# Altium PCB oai_cm_ext.PcbDoc (continued)
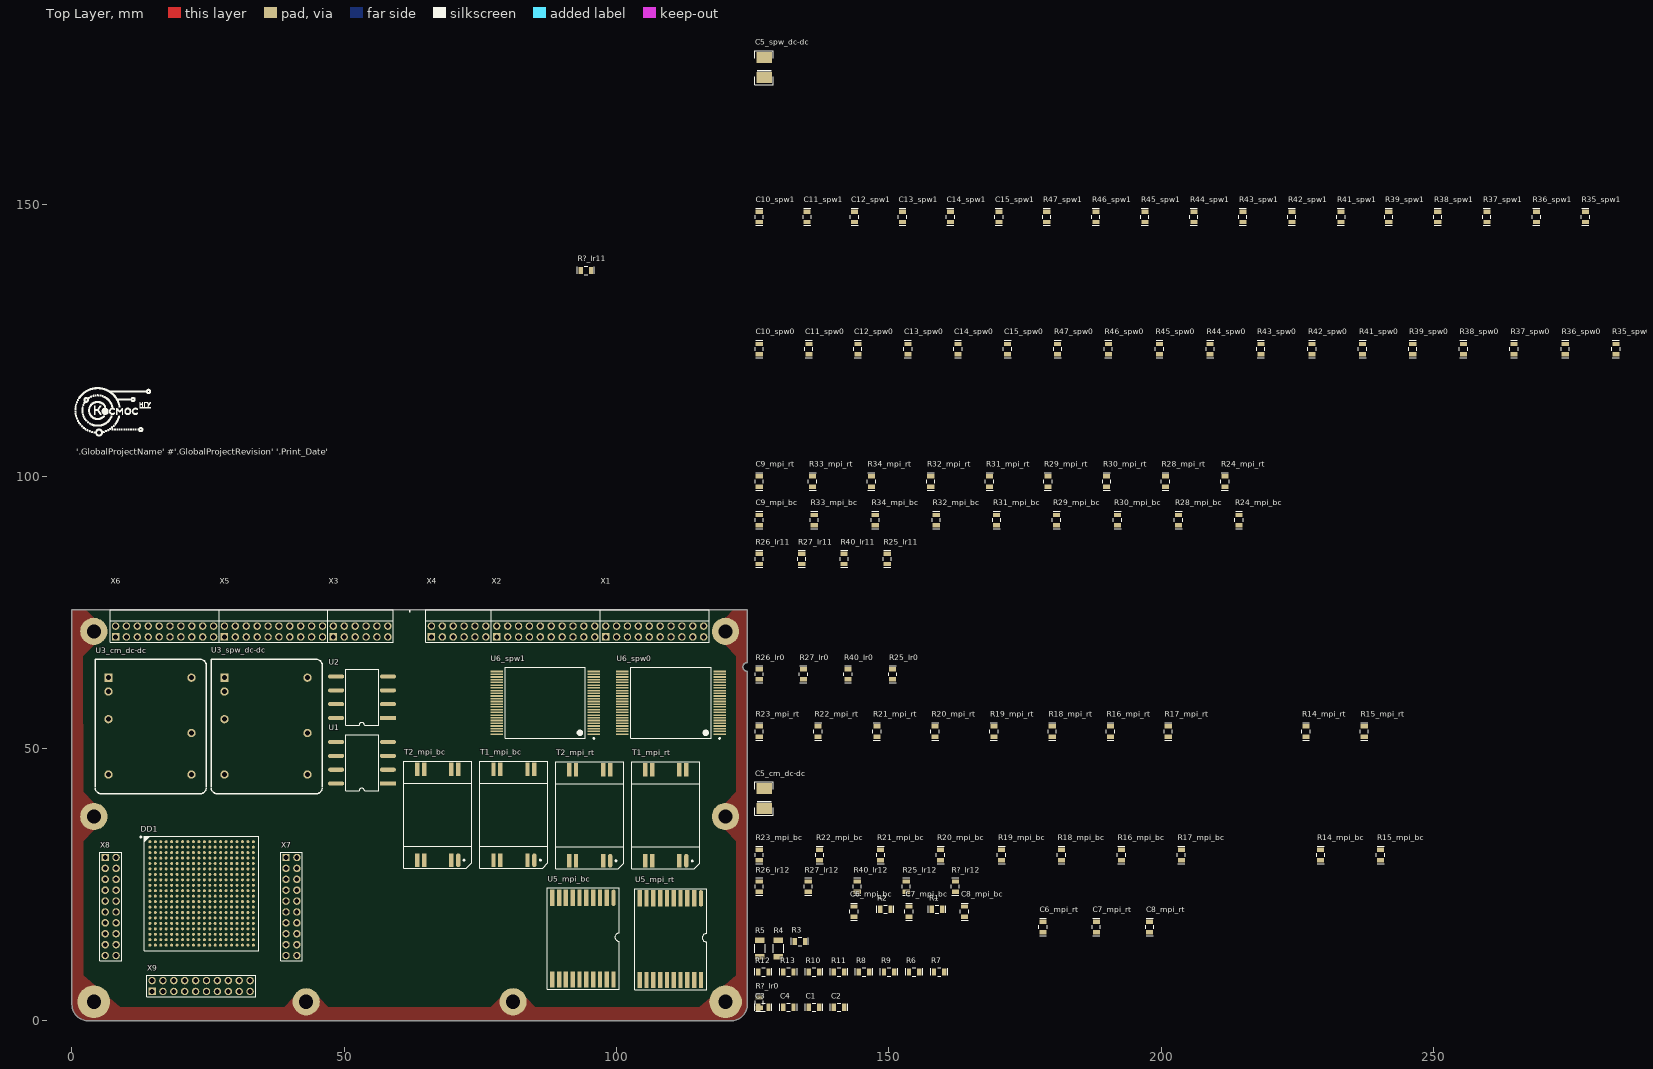
[diagram p0: Top Layer view]
## Footprints (in the part's own frame and the unit in brackets; to place one, negate y for a bottom-side part, rotate by r counter-clockwise, add the part's x,y. Pads: shape width x height; smd on the part's side, far side on the other; paste and mask are expansions set on the pad) (continued)
  silkscreen extent -11.27,-10.5 10.5,10.5, body extent -10.5,-10.5 10.5,10.5, height 3.25
FlatPack-10_MSOP-8 [mm]
  rect 2.54x0.559 smd: 1(0,0)
  rect 1.5x0.38 smd: 1(3.05,-0.95)
  oval 2.54x0.559 smd: 2(0,-1.27) 3(0,-2.54) 4(0,-3.81) 5(0,-5.08) 6(11,-5.08) 7(11,-3.81) 8(11,-2.54) 9(11,-1.27) 10(11,0)
  oval 1.5x0.38 smd: 2(3.05,-1.6) 3(3.05,-2.25) 4(3.05,-2.9) 7(7.95,-2.9) 8(7.95,-2.25) 9(7.95,-1.6) 10(7.95,-0.95)
  silkscreen extent -0.1,-5.73 9.2,0.87, body extent 0.15,-5.8 10.85,0.7, height 2
"MK 4159.48-1" [mm] "CFP, 48-Leads, Body 13,00x14,00mm (max), Pitch 0,50mm, IPC Medium Density"
  oval 2.3x0.3 smd mask+0.102: 1(-8.925,5.75)
  rect 2.3x0.3 smd mask+0.102: 2(-8.925,5.25) 3(-8.925,4.75) 4(-8.925,4.25) 5(-8.925,3.75) 6(-8.925,3.25) 7(-8.925,2.75) 8(-8.925,2.25) 9(-8.925,1.75) 10(-8.925,1.25) 11(-8.925,0.75) 12(-8.925,0.25) 13(-8.925,-0.25) 14(-8.925,-0.75) 15(-8.925,-1.25) 16(-8.925,-1.75) 17(-8.925,-2.25) 18(-8.925,-2.75) 19(-8.925,-3.25) 20(-8.925,-3.75) 21(-8.925,-4.25) 22(-8.925,-4.75) 23(-8.925,-5.25) 24(-8.925,-5.75) 25(8.925,-5.75) 26(8.925,-5.25) 27(8.925,-4.75) 28(8.925,-4.25) 29(8.925,-3.75) 30(8.925,-3.25) 31(8.925,-2.75) 32(8.925,-2.25) 33(8.925,-1.75) 34(8.925,-1.25) 35(8.925,-0.75) 36(8.925,-0.25) 37(8.925,0.25) 38(8.925,0.75) 39(8.925,1.25) 40(8.925,1.75) 41(8.925,2.25) 42(8.925,2.75) 43(8.925,3.25) 44(8.925,3.75) 45(8.925,4.25) 46(8.925,4.75) 47(8.925,5.25) 48(8.925,5.75)
  silkscreen extent -9.05,-6.5 7.37,6.65, body extent -9.68,-6.5 9.68,6.5, height 2.5
PLD2-12R [mil]
  rect 54x54 hole 34: 1(0,0)
  round 54 hole 34: 2(78.74,0) 3(0,-78.74) 4(78.74,-78.74) 5(0,-157.48) 6(78.74,-157.48) 7(0,-236.22) 8(78.74,-236.22) 9(0,-314.96) 10(78.74,-314.96) 11(0,-393.7) 12(78.74,-393.7)
  silkscreen extent -39,-433 197,39, body extent -9,-429 355,35, height 157
PLD2-20 [mil]
  rect 54x54 hole 34: 1(0,0)
  round 54 hole 34: 2(78.74,0) 3(0,-78.74) 4(78.74,-78.74) 5(0,-157.48) 6(78.74,-157.48) 7(0,-236.22) 8(78.74,-236.22) 9(0,-314.96) 10(78.74,-314.96) 11(0,-393.7) 12(78.74,-393.7) 13(0,-472.44) 14(78.74,-472.44) 15(0,-551.18) 16(78.74,-551.18) 17(0,-629.92) 18(78.74,-629.92) 19(0,-708.66) 20(78.74,-708.66)
  silkscreen extent -39,-748 118,39, body extent -39,-744 118,35, height 232
PLD2-20R [mil]
  rect 54x54 hole 34: 1(0,0)
  round 54 hole 34: 2(78.74,0) 3(0,-78.74) 4(78.74,-78.74) 5(0,-157.48) 6(78.74,-157.48) 7(0,-236.22) 8(78.74,-236.22) 9(0,-314.96) 10(78.74,-314.96) 11(0,-393.7) 12(78.74,-393.7) 13(0,-472.44) 14(78.74,-472.44) 15(0,-551.18) 16(78.74,-551.18) 17(0,-629.92) 18(78.74,-629.92) 19(0,-708.66) 20(78.74,-708.66)
  silkscreen extent -39,-748 197,39, body extent -9,-744 355,35, height 157
SLH28xx [mil]
  rect 60x60 hole 35.43: 1(0,0)
  round 60 hole 35.43: 2(0,-100) 3(0,-300) 4(0,-700) 5(600,-700) 6(600,-400) 7(600,0)
  silkscreen extent -97,-840 708,135, body extent -93,-839 707,136, height 275
SMD_0805 [mm]
  rect 0.8x1.3 smd: 1(0,0) 2(1.9,0)
  silkscreen extent -0.64,-0.76 2.54,0.76, body extent -0.05,-0.62 1.95,0.63, height 0.43
SMD_1206 [mm]
  rect 1x1.7 smd: 1(0,0) 2(3,0)
  silkscreen extent 0.7,-0.91 2.3,0.9, body extent -0.09,-0.8 3.11,0.8, height 0.44
SMD_C0805 [mm]
  rect 0.8x1.3 smd: 1(0,0) 2(1.9,0)
  silkscreen extent -0.64,-0.76 2.54,0.76, body extent -0.1,-0.73 2,0.73, height 1.35
SMD_size_B [mm]
  rect 2x2.8 smd: 1(0,0) 2(3.683,0)
  silkscreen extent -1.27,-1.7 4.95,1.7, body extent 0.1,-1.4 3.6,1.4, height 1.9
SOP-8_ISO1050 [mm]
  rect 2.95x0.75 smd: 1(0,0)
  oval 2.95x0.75 smd: 2(0,-2.54) 3(0,-5.08) 4(0,-7.62) 5(9.516,-7.62) 6(9.516,-5.08) 7(9.516,-2.54) 8(9.516,0)
  silkscreen extent 1.67,-8.96 7.75,1.34, body extent 1.35,-8.51 8.15,0.89, height 2.05
SOT-23 [mm]
  rrect50% 0.95x0.9 smd: 1(0,0)
  rect 0.95x0.9 smd: 2(0,-1.9) 3(2.5,-0.95)
  silkscreen extent 0.87,-2.25 2.5,0.35, body extent 0,-2.45 2.5,0.55, height 1.08
TIL-6V [mm]
  oval 2.5x0.813 smd: 1(0,-0.02)
  rect 2.5x0.813 smd: 2(0,1.25) 3(0,6.25) 4(0,7.5) 5(16.7,7.5) 6(16.7,6.25) 7(16.7,1.25) 8(16.7,-0.02)
  silkscreen extent -1.5,-2.5 18.2,10, body extent -1.2,-2.5 17.8,10, height 6.5

## Part data
C1 C2 C3 C4 C6_mpi_bc C6_mpi_rt C7_mpi_bc C7_mpi_rt C8_mpi_bc C8_mpi_rt C9_mpi_bc C9_mpi_rt C10_spw0 C10_spw1 C11_spw0 C11_spw1 C12_spw0 C12_spw1 C13_spw0 C13_spw1 C14_spw0 C14_spw1 C15_spw0 C15_spw1: library part Capacitor, "Capacitor", Назначение=SMD-конденсатор, Потребление, Вт=0
  C1 C2 C3 C4: Наименование=Конденсатор
  C6_mpi_bc C6_mpi_rt C7_mpi_bc C7_mpi_rt C8_mpi_bc C8_mpi_rt C9_mpi_bc C9_mpi_rt C10_spw0 C10_spw1 C11_spw0 C11_spw1 C12_spw0 C12_spw1 C13_spw0 C13_spw1 C14_spw0 C14_spw1 C15_spw0 C15_spw1: Наименование="К10-79 МП0 «ВП»"
C5_cm_dc-dc C5_spw_dc-dc: library part Capacitor_pol, "Polarized capacitor", Назначение="Поляризованный SMD-конденсатор", Наименование="Поляризованный конденсатор", Потребление, Вт=0
D1 D2: library part 249KP1, "Транзисторная оптопара", ComponentLink1Description=DataSheet, ComponentLink1URL=https://eandc.ru/pdf/mikroskhema/249kp1.pdf, Назначение=Оптопара, Наименование="249КП1C \"ОСМ\"", Потребление, Вт=0,005
DD1: "Микроконтроллер", ComponentLink1Description="Руководство пользователя", ComponentLink1URL=https://niiet.ru/wp-content/uploads/2023/02/РП-1921ВК028.pdf, Назначение=Микроконтроллер, Наименование=РП1921ВК028, Потребление, Вт=1.0
R1 R2 R3 R4 R5 R6 R7 R8 R9 R10 R11 R12 R13 R14_mpi_bc R14_mpi_rt R15_mpi_bc R15_mpi_rt R16_mpi_bc R16_mpi_rt R17_mpi_bc R17_mpi_rt R18_mpi_bc R18_mpi_rt R19_mpi_bc R19_mpi_rt R20_mpi_bc R20_mpi_rt R21_mpi_bc R21_mpi_rt R22_mpi_bc R22_mpi_rt R23_mpi_bc R23_mpi_rt R24_mpi_bc R24_mpi_rt R25_lr0 R25_lr11 R25_lr12 R26_lr0 R26_lr11 R26_lr12 R27_lr0 R27_lr11 R27_lr12 R28_mpi_bc R28_mpi_rt R29_mpi_bc R29_mpi_rt R30_mpi_bc R30_mpi_rt R31_mpi_bc R31_mpi_rt R32_mpi_bc R32_mpi_rt R33_mpi_bc R33_mpi_rt R34_mpi_bc R34_mpi_rt R35_spw0 R35_spw1 R36_spw0 R36_spw1 R37_spw0 R37_spw1 R38_spw0 R38_spw1 R39_spw0 R39_spw1 R40_lr0 R40_lr11 R40_lr12 R41_spw0 R41_spw1 R42_spw0 R42_spw1 R43_spw0 R43_spw1 R44_spw0 R44_spw1 R45_spw0 R45_spw1 R46_spw0 R46_spw1 R47_spw0 R47_spw1 R?_lr0 R?_lr11 R?_lr12: library part Resistor, "Resistor", Назначение=SMD-резистор, Потребление, Вт=0,001
  R1 R2 R3 R4 R5 R35_spw0 R35_spw1 R36_spw0 R36_spw1 R37_spw0 R37_spw1 R38_spw0 R38_spw1 R39_spw0 R39_spw1 R41_spw0 R41_spw1 R42_spw0 R42_spw1 R43_spw0 R43_spw1 R44_spw0 R44_spw1 R45_spw0 R45_spw1 R46_spw0 R46_spw1 R47_spw0 R47_spw1: Наименование=Резистор
  R6 R7 R8 R9 R10 R11 R12 R13 R14_mpi_bc R14_mpi_rt R15_mpi_bc R15_mpi_rt R16_mpi_bc R16_mpi_rt R17_mpi_bc R17_mpi_rt R18_mpi_bc R18_mpi_rt R19_mpi_bc R19_mpi_rt R20_mpi_bc R20_mpi_rt R21_mpi_bc R21_mpi_rt R22_mpi_bc R22_mpi_rt R23_mpi_bc R23_mpi_rt R24_mpi_bc R24_mpi_rt R25_lr0 R25_lr11 R25_lr12 R26_lr0 R26_lr11 R26_lr12 R27_lr0 R27_lr11 R27_lr12 R28_mpi_bc R28_mpi_rt R29_mpi_bc R29_mpi_rt R30_mpi_bc R30_mpi_rt R31_mpi_bc R31_mpi_rt R32_mpi_bc R32_mpi_rt R33_mpi_bc R33_mpi_rt R34_mpi_bc R34_mpi_rt R40_lr0 R40_lr11 R40_lr12 R?_lr0 R?_lr11 R?_lr12: Наименование="Р1-12-0.125 ОСМ"
T1_mpi_bc T1_mpi_rt T2_mpi_bc T2_mpi_rt: "Импульсный трансформатор", Назначение="Импульсный трансформатор МПИ", Наименование="ТИЛ-6В \"ОС\"", Потребление, Вт=0.0
U1 U2: "Isolated CAN Transceiver", ComponentLink1Description=Datasheet, ComponentLink1URL=http://www.ti.com/lit/ds/symlink/iso1050.pdf, Назначение="Изолированный CAN приемник", Наименование=ISO1050, Потребление, Вт=0,001
U3_cm_dc-dc U3_spw_dc-dc: "DC-DC", ComponentLink1Description=DataSheet, ComponentLink1URL=https://www.interpoint.com/product_documents/SLH_Space_DC_DC_Converters.pdf, Назначение="DC-DC преобразователь", Наименование=SLH2805D/KR, Потребление, Вт=0.1
U5_mpi_bc U5_mpi_rt: library part 5559IN67T, "Приемопередатчики манчестерского кода", ComponentLink1Description=DataSheet, ComponentLink1URL=https://www.integral.by/sites/default/files/5559_IN67_68T.pdf, Назначение="Приемопередатчик манчестерского кода", Наименование="5559ИН67Т \"ОСМ\"", Потребление, Вт=0.1
U6_spw0 U6_spw1: library part 5575BB044, "Микросхема гальванической развязки цифровых сигналов", ComponentLink1Description=DataSheet, ComponentLink1URL=http://www.asic.ru/images/stories/bmk/5575/5575BB_Opisanie.pdf, Назначение="Микросхема гальванической развязки цифровых сигналов", Наименование=5575BB044, Потребление, Вт=0.165
U9_lr0 U9_lr11 U9_lr12: library part 1278ER1T, "Low-drop linear regulator", ComponentLink1Description=DataSheet, ComponentLink1URL=https://www.radiant.su/files/images/Kremhij-marketing/1278EP1T.pdf, Назначение="Линейный регулятор", Наименование="1278ЕР1Т \"ВП\"", Потребление, Вт=0,100
VD1 VD2: "CAN bus ESD protection diode", ComponentLink1Description=DataSheet, ComponentLink1URL=https://docviewer.yandex.ru/view/20572601/?*=RQqn8Wj9g8uNyA%2Fh5vLXNATrwhl7InVybCI6Imh0dHBzOi8vYXNzZXRzLm5leHBlcmlhLmNvbS9kb2N1bWVudHMvZGF0YS1zaGVldC9QRVNEMkNBTi5wZGYiLCJ0aXRsZSI6IlBFU0QyQ0FOLnBkZiIsIm5vaWZyYW1lIjp0cnVlLCJ1aWQiOiIyMDU3MjYwMSIsInRzIjoxNTk2Nzk0OTE4Njc4LCJ5dSI6Ijg4OTA2MTMzMTU0MzM4NzEyMSIsInNlcnBQYXJhbXMiOiJsYW5nPWVuJnRtPTE1OTY3OTQ4OTAmdGxkPXJ1Jm5hbWU9UEVTRDJDQU4ucGRmJnRleHQ9cGVzZDJjYW4mdXJsPWh0dHBzJTNBLy9hc3NldHMubmV4cGVyaWEuY29tL2RvY3VtZW50cy9kYXRhLXNoZWV0L1BFU0QyQ0FOLnBkZiZscj02NSZtaW1lPXBkZiZsMTBuPXJ1JnNpZ249MzE3ZjE4NzU1MTcwMWNmYmI4ZDQxYzc2OTNlYTFkYzIma2V5bm89MCJ9&lang=en, Назначение="Защитная диодная сборка CAN-шины от ЭСР", Наименование=PESD2CAN, Потребление, Вт=0,001
X1 X2 X5 X6 X7 X8 X9: "Header, 20-Pin, Dual row", Назначение="Header, 20-Pin, Dual row", Потребление, Вт=0,0
  X1 X2 X5 X6: Наименование=PLD2-20R
  X7 X8 X9: Наименование=PLD2-20
X3 X4: "Header, 12-Pin, Dual row", Назначение="Header, 12-Pin, Dual row", Наименование=PLD2-12R, Потребление, Вт=0,0
U4: Назначение="Токовый датчик", Наименование=AD8212S

## Free pads (board coordinates)
  round 6 hole 2.6 mask+0.102: 0(4.013,3.505) 0(120.015,3.505)
  round 5 hole 2.6 mask+0.102: 0(4.013,37.516) 0(4.013,71.526) 0(43.002,3.505) 0(81.001,3.505) 0(120.015,37.516) 0(120.015,71.526)

## Nets (pads, with @x,y where several pads share a name; then routed paths per layer and width w, separated by ;. In a path a pad name is that pad's centre, name@x,y a point inside that pad or via, vN(x,y) a via of type N, cw(c..) or ccw(c..) an arc to the next point about the centre after c; other vN are vias at no path point)
3V3: C10_spw0.2 C10_spw1.2 C11_spw0.2 C11_spw1.2 C12_spw0.2 C12_spw1.2 C13_spw0.2 C13_spw1.2 C14_spw0.2 C14_spw1.2 C15_spw0.2 C15_spw1.2 R?_lr0.1 R?_lr11.1 U6_spw0.1 U6_spw0.6 U6_spw0.11 U6_spw0.13 U6_spw0.17 U6_spw0.22 U6_spw0.26 U6_spw0.27 U6_spw0.31 U6_spw0.32 U6_spw0.36 U6_spw0.39 U6_spw0.44 U6_spw0.48 U6_spw1.1 U6_spw1.6 U6_spw1.11 U6_spw1.13 U6_spw1.17 U6_spw1.22 U6_spw1.26 U6_spw1.27 U6_spw1.31 U6_spw1.32 U6_spw1.36 U6_spw1.39 U6_spw1.44 U6_spw1.48 X7.19 X7.20 X9.19 X9.20
5V: C5_cm_dc-dc.1 C6_mpi_bc.2 C6_mpi_rt.2 C7_mpi_bc.2 C7_mpi_rt.2 C8_mpi_bc.2 C8_mpi_rt.2 C9_mpi_bc.2 C9_mpi_rt.2 U3_cm_dc-dc.3 U5_mpi_bc.1 U5_mpi_bc.4 U5_mpi_bc.6 U5_mpi_bc.9 U5_mpi_rt.1 U5_mpi_rt.4 U5_mpi_rt.6 U5_mpi_rt.9 U9_lr0.2 U9_lr12.2 X5.1 X5.2
5V_SPW: C5_spw_dc-dc.1 U3_spw_dc-dc.3 U9_lr11.2
+27V: R4.1 R5.1 U4.1 X1.3 X1.4
+V_IN_cm_dc-dc: R4.2 R5.2 U3_cm_dc-dc.1 U3_spw_dc-dc.1 U4.10
-V_IN_cm_dc-dc: C5_cm_dc-dc.2 C6_mpi_bc.1 C6_mpi_rt.1 C7_mpi_bc.1 C7_mpi_rt.1 C8_mpi_bc.1 C8_mpi_rt.1 C9_mpi_bc.1 C9_mpi_rt.1 C10_spw0.1 C10_spw1.1 C11_spw0.1 C11_spw1.1 C12_spw0.1 C12_spw1.1 R3.1 R14_mpi_bc.1 R14_mpi_rt.1 R15_mpi_bc.1 R15_mpi_rt.1 R16_mpi_bc.1 R16_mpi_rt.1 R17_mpi_bc.1 R17_mpi_rt.1 R26_lr0.1 R26_lr11.1 R26_lr12.1 R27_lr0.1 R27_lr11.1 R27_lr12.1 R29_mpi_bc.1 R29_mpi_rt.1 R30_mpi_bc.1 R30_mpi_rt.1 R33_mpi_bc.1 R33_mpi_rt.1 R34_mpi_bc.1 R34_mpi_rt.1 R40_lr0.1 R40_lr11.1 R40_lr12.1 R44_spw0.2 R44_spw1.2 T1_mpi_bc.2 T1_mpi_rt.2 T2_mpi_bc.2 T2_mpi_rt.2 U3_cm_dc-dc.2 U3_cm_dc-dc.4 U3_cm_dc-dc.5 U3_cm_dc-dc.7 U3_spw_dc-dc.2 U4.3 U5_mpi_bc.5 U5_mpi_bc.10 U5_mpi_bc.13 U5_mpi_bc.18 U5_mpi_rt.5 U5_mpi_rt.10 U5_mpi_rt.13 U5_mpi_rt.18 U6_spw0.5 U6_spw0.10 U6_spw0.12 U6_spw0.23 U6_spw0.24 U6_spw1.5 U6_spw1.10 U6_spw1.12 U6_spw1.23 U6_spw1.24 X1.1 X1.2 X1.19 X1.20 X3.1 X3.2 X4.1 X4.2 X5.11 X5.12 X7.1 X7.2 X7.17 X8.1 X8.2 X9.1 X9.2
A_mpi_bc_N: T1_mpi_bc.1 U5_mpi_bc.3
A_mpi_bc_P: T1_mpi_bc.4 U5_mpi_bc.2
A_mpi_rt_N: T1_mpi_rt.1 U5_mpi_rt.3
A_mpi_rt_P: T1_mpi_rt.4 U5_mpi_rt.2
B_mpi_bc_N: T2_mpi_bc.1 U5_mpi_bc.8
B_mpi_bc_P: T2_mpi_bc.4 U5_mpi_bc.7
B_mpi_rt_N: T2_mpi_rt.1 U5_mpi_rt.8
B_mpi_rt_P: T2_mpi_rt.4 U5_mpi_rt.7
CAN1_H: X5.3 X5.4
CAN1_L: X5.5 X5.6
CAN2_H: X5.7 X5.8
CAN2_L: X5.9 X5.10
DIn_spw0: U6_spw0.14
DIn_spw1: U6_spw1.14
DInN_spw0: R41_spw0.1 U6_spw0.33
DInN_spw1: R41_spw1.1 U6_spw1.33
DInP_spw0: R41_spw0.2 U6_spw0.34
DInP_spw1: R41_spw1.2 U6_spw1.34
DOut_spw0: U6_spw0.2
DOut_spw1: U6_spw1.2
DOutN_spw0: U6_spw0.45
DOutN_spw1: U6_spw1.45
DOutP_spw0: U6_spw0.46
DOutP_spw1: U6_spw1.46
GND: D1.3 D1.10 D2.3 D2.10
GND_SPW_spw0: C5_spw_dc-dc.2 C13_spw0.1 C13_spw1.1 C14_spw0.1 C14_spw1.1 C15_spw0.1 C15_spw1.1 R35_spw0.2 R35_spw1.2 R37_spw0.2 R37_spw1.2 R38_spw0.2 R38_spw1.2 R43_spw0.2 R43_spw1.2 R45_spw0.2 R45_spw1.2 U3_spw_dc-dc.4 U3_spw_dc-dc.5 U3_spw_dc-dc.7 U6_spw0.25 U6_spw0.37 U6_spw0.38 U6_spw1.25 U6_spw1.37 U6_spw1.38
IN_1: R7.2
IN_2: R9.2
IN_3: R11.2
IN_4: R13.2
mem_a0: X8.3
mem_a1: X8.4
mem_a2: X8.5
mem_a3: X8.6
mem_a4: X8.7
mem_a5: X8.8
mem_a6: X8.9
mem_a7: X8.10
mem_a8: X8.11
mem_a9: X8.12
mem_a10: X8.13
mem_a11: X8.14
mem_a12: X8.15
mem_a13: X8.16
mem_a14: X8.17
mem_a15: X8.18
mem_a16: X8.19
mem_a17: X8.20
mem_ce0: X7.4
mem_ce1: X7.6
mem_cs0: X7.3
mem_cs1: X7.5
mem_cs2: X7.7
mem_cs3: X7.9
mem_cs4: X7.11
mem_cs5: X7.13
mem_d0: X9.3
mem_d1: X9.4
mem_d2: X9.5
mem_d3: X9.6
mem_d4: X9.7
mem_d5: X9.8
mem_d6: X9.9
mem_d7: X9.10
mem_d8: X9.11
mem_d9: X9.12
mem_d10: X9.13
mem_d11: X9.14
mem_d12: X9.15
mem_d13: X9.16
mem_d14: X9.17
mem_d15: X9.18
mem_lb: X7.12
mem_miso: X7.18
mem_mosi: X7.16
mem_oe: X7.10
mem_sclk: X7.15
mem_ub: X7.14
mem_we: X7.8
MILA_RX_mpi_bc_N: R28_mpi_bc.1 R30_mpi_bc.2
MILA_RX_mpi_bc_P: R24_mpi_bc.1 R29_mpi_bc.2
MILA_RX_mpi_rt_N: R28_mpi_rt.1 R30_mpi_rt.2
MILA_RX_mpi_rt_P: R24_mpi_rt.1 R29_mpi_rt.2
MILA_TX_mpi_bc_N: R14_mpi_bc.2 U5_mpi_bc.20
MILA_TX_mpi_bc_P: R15_mpi_bc.2 U5_mpi_bc.19
MILA_TX_mpi_rt_N: R14_mpi_rt.2 U5_mpi_rt.20
MILA_TX_mpi_rt_P: R15_mpi_rt.2 U5_mpi_rt.19
MILB_RX_mpi_bc_N: R32_mpi_bc.1 R34_mpi_bc.2
MILB_RX_mpi_bc_P: R31_mpi_bc.1 R33_mpi_bc.2
MILB_RX_mpi_rt_N: R32_mpi_rt.1 R34_mpi_rt.2
MILB_RX_mpi_rt_P: R31_mpi_rt.1 R33_mpi_rt.2
MILB_TX_mpi_bc_N: R16_mpi_bc.2 U5_mpi_bc.15
MILB_TX_mpi_bc_P: R17_mpi_bc.2 U5_mpi_bc.14
MILB_TX_mpi_rt_N: R16_mpi_rt.2 U5_mpi_rt.15
MILB_TX_mpi_rt_P: R17_mpi_rt.2 U5_mpi_rt.14
MKOА_КШ_1: X5.13 X5.14
MKOА_КШ_2: X5.15 X5.16
MKOА_ОУ_1: X1.11 X1.12
MKOА_ОУ_2: X1.13 X1.14
MKOБ_КШ_1: X5.17 X5.18
MKOБ_КШ_2: X5.19 X5.20
MKOБ_ОУ_1: X1.15 X1.16
MKOБ_ОУ_2: X1.17 X1.18
MPI_1_A_mpi_bc: R18_mpi_bc.1 R19_mpi_bc.1
MPI_1_A_mpi_rt: R18_mpi_rt.1 R19_mpi_rt.1
MPI_1_B_mpi_bc: R21_mpi_bc.1 R22_mpi_bc.1
MPI_1_B_mpi_rt: R21_mpi_rt.1 R22_mpi_rt.1
MPI_2_A_mpi_bc: R19_mpi_bc.2 R20_mpi_bc.1
MPI_2_A_mpi_rt: R19_mpi_rt.2 R20_mpi_rt.1
MPI_2_B_mpi_bc: R22_mpi_bc.2 R23_mpi_bc.1
MPI_2_B_mpi_rt: R22_mpi_rt.2 R23_mpi_rt.1
NetC1_1: C1.1 C3.1 U1.5 U2.5 VD1.3 VD2.3
NetC1_2: C1.2 C3.2 U1.8 U2.8
NetC2_1: C2.1 C4.1 U1.4 U2.4
NetC2_2: C2.2 C4.2 U1.1 U2.1
NetC36_lr0_2: R25_lr0.2 R40_lr0.2 R?_lr0.2 U9_lr0.8 U9_lr0.11
NetC36_lr11_2: R25_lr11.2 R40_lr11.2 R?_lr11.2 U9_lr11.8 U9_lr11.11
NetC36_lr12_2: R25_lr12.2 R40_lr12.2 R?_lr12.2 U9_lr12.8 U9_lr12.11
NetD1_2: D1.2 R7.1
NetD1_4: D1.4 R8.2
NetD1_9: D1.9 R9.1
NetD1_11: D1.11 R6.2
NetD2_2: D2.2 R11.1
NetD2_4: D2.4 R12.2
NetD2_9: D2.9 R13.1
NetD2_11: D2.11 R10.2
NetR1_1: R1.1 U1.6 VD1.2
NetR1_2: R1.2 U1.7 VD1.1
NetR2_1: R2.1 U2.6 VD2.2
NetR2_2: R2.2 U2.7 VD2.1
NetR18_mpi_bc_2: R18_mpi_bc.2 T1_mpi_bc.5
NetR18_mpi_rt_2: R18_mpi_rt.2 T1_mpi_rt.5
NetR20_mpi_bc_2: R20_mpi_bc.2 T1_mpi_bc.8
NetR20_mpi_rt_2: R20_mpi_rt.2 T1_mpi_rt.8
NetR21_mpi_bc_2: R21_mpi_bc.2 T2_mpi_bc.5
NetR21_mpi_rt_2: R21_mpi_rt.2 T2_mpi_rt.5
NetR23_mpi_bc_2: R23_mpi_bc.2 T2_mpi_bc.8
NetR23_mpi_rt_2: R23_mpi_rt.2 T2_mpi_rt.8
NetR24_mpi_bc_2: R24_mpi_bc.2 U5_mpi_bc.17
NetR24_mpi_rt_2: R24_mpi_rt.2 U5_mpi_rt.17
NetR25_lr0_1: R25_lr0.1 R26_lr0.2 R27_lr0.2 U9_lr0.17
NetR25_lr11_1: R25_lr11.1 R26_lr11.2 R27_lr11.2 U9_lr11.17
NetR25_lr12_1: R25_lr12.1 R26_lr12.2 R27_lr12.2 U9_lr12.17
NetR28_mpi_bc_2: R28_mpi_bc.2 U5_mpi_bc.16
NetR28_mpi_rt_2: R28_mpi_rt.2 U5_mpi_rt.16
NetR31_mpi_bc_2: R31_mpi_bc.2 U5_mpi_bc.12
NetR31_mpi_rt_2: R31_mpi_rt.2 U5_mpi_rt.12
NetR32_mpi_bc_2: R32_mpi_bc.2 U5_mpi_bc.11
NetR32_mpi_rt_2: R32_mpi_rt.2 U5_mpi_rt.11
NetR35_spw0_1: R35_spw0.1 U6_spw0.47
NetR35_spw1_1: R35_spw1.1 U6_spw1.47
NetR36_spw0_1: R36_spw0.1 U6_spw0.4
NetR36_spw0_2: R36_spw0.2 U6_spw0.3
NetR36_spw1_1: R36_spw1.1 U6_spw1.4
NetR36_spw1_2: R36_spw1.2 U6_spw1.3
NetR37_spw0_1: R37_spw0.1 U6_spw0.43
NetR37_spw1_1: R37_spw1.1 U6_spw1.43
NetR38_spw0_1: R38_spw0.1 U6_spw0.42
NetR38_spw1_1: R38_spw1.1 U6_spw1.42
NetR39_spw0_1: R39_spw0.1 U6_spw0.9
NetR39_spw0_2: R39_spw0.2 U6_spw0.8
NetR39_spw1_1: R39_spw1.1 U6_spw1.9
NetR39_spw1_2: R39_spw1.2 U6_spw1.8
NetR42_spw0_1: R42_spw0.1 U6_spw0.16
NetR42_spw0_2: R42_spw0.2 U6_spw0.15
NetR42_spw1_1: R42_spw1.1 U6_spw1.16
NetR42_spw1_2: R42_spw1.2 U6_spw1.15
NetR43_spw0_1: R43_spw0.1 U6_spw0.35
NetR43_spw1_1: R43_spw1.1 U6_spw1.35
NetR44_spw0_1: R44_spw0.1 U6_spw0.18
NetR44_spw1_1: R44_spw1.1 U6_spw1.18
NetR45_spw0_1: R45_spw0.1 U6_spw0.30
NetR45_spw1_1: R45_spw1.1 U6_spw1.30
NetR46_spw0_1: R46_spw0.1 U6_spw0.21
NetR46_spw0_2: R46_spw0.2 U6_spw0.20
NetR46_spw1_1: R46_spw1.1 U6_spw1.21
NetR46_spw1_2: R46_spw1.2 U6_spw1.20
NetR?_lr12_1: R?_lr12.1
NetU1_2: U1.2
NetU1_3: U1.3
NetU2_2: U2.2
NetU2_3: U2.3
NetU4_2: U4.2 U4.8
Out0: X6.11
Out1: X6.12
Out2: X6.13
Out3: X6.14
Out4: X6.15
Out5: X6.16
Out6: X6.17
Out7: X6.18
Out8: X6.19
Out9: X6.20
Out10: X3.3
Out11: X3.4
Out12: X3.5
Out13: X3.6
Out14: X3.7
Out15: X3.8
Out16: X3.9
Out17: X3.10
Out18: X3.11
Out19: X3.12
Sin_spw0: U6_spw0.19
Sin_spw1: U6_spw1.19
SInN_spw0: R47_spw0.1 U6_spw0.28
SInN_spw1: R47_spw1.1 U6_spw1.28
SInP_spw0: R47_spw0.2 U6_spw0.29
SInP_spw1: R47_spw1.2 U6_spw1.29
SOut_spw0: U6_spw0.7
SOut_spw1: U6_spw1.7
SOutN_spw0: U6_spw0.40
SOutN_spw1: U6_spw1.40
SOutP_spw0: U6_spw0.41
SOutP_spw1: U6_spw1.41
SPW0_Din+: X2.7 X2.17
SPW0_Din-: X2.8 X2.18
SPW0_Dout+: X2.3 X2.13
SPW0_Dout-: X2.4 X2.14
SPW0_Sin+: X2.6 X2.16
SPW0_Sint-: X2.5 X2.15
SPW0_Sout+: X2.2 X2.12
SPW0_Sout-: X2.1 X2.11
SPW0_Корпус: X2.9 X2.10
SPW1_Корпус: X2.19 X2.20
АЦП0: X6.1
АЦП1: X6.2
АЦП2: X6.3
АЦП3: X6.4
АЦП4: X6.5
АЦП5: X6.6
АЦП6: X6.7
АЦП7: X6.8
АЦП8: X6.9
АЦП9: X6.10
АЦП10: X4.3
АЦП11: X4.4
АЦП12: X4.5
АЦП13: X4.6
АЦП14: X4.7
АЦП15: X4.8
АЦП16: X4.9
АЦП17: X4.10
АЦП18: X4.11
АЦП19: X4.12
СТМ_0: X1.5
СТМ_1: X1.6
СТМ_2: X1.7
СТМ_3: X1.8
СТМ_4: R12.1
СТМ_Общ: X1.9 X1.10
СТМ_ОБЩ: D1.6 D1.13 D2.6 D2.13
ЦМ_Iout: R3.2 U4.7
pads on no net: D1.1 D1.5 D1.7 D1.8 D1.12 D1.14 D2.1 D2.5 D2.7 D2.8 D2.12 D2.14 DD1.A1 DD1.A2 DD1.A3 DD1.A4 DD1.A5 DD1.A6 DD1.A7 DD1.A8 DD1.A9 DD1.A10 DD1.A11 DD1.A12 DD1.A13 DD1.A14 DD1.A15 DD1.A16 DD1.A17 DD1.A18 DD1.A19 DD1.A20 DD1.B1 DD1.B2 DD1.B3 DD1.B4 DD1.B5 DD1.B6 DD1.B7 DD1.B8 DD1.B9 DD1.B10 DD1.B11 DD1.B12 DD1.B13 DD1.B14 DD1.B15 DD1.B16 DD1.B17 DD1.B18 DD1.B19 DD1.B20 DD1.C1 DD1.C2 DD1.C3 DD1.C4 DD1.C5 DD1.C6 DD1.C7 DD1.C8 DD1.C9 DD1.C10 DD1.C11 DD1.C12 DD1.C13 DD1.C14 DD1.C15 DD1.C16 DD1.C17 DD1.C18 DD1.C19 DD1.C20 DD1.D1 DD1.D2 DD1.D3 DD1.D4 DD1.D5 DD1.D6 DD1.D7 DD1.D8 DD1.D9 DD1.D10 DD1.D11 DD1.D12 DD1.D13 DD1.D14 DD1.D15 DD1.D16 DD1.D17 DD1.D18 DD1.D19 DD1.D20 DD1.E1 DD1.E2 DD1.E3 DD1.E4 DD1.E5 DD1.E6 DD1.E7 DD1.E8 DD1.E9 DD1.E10 DD1.E11 DD1.E12 DD1.E13 DD1.E14 DD1.E15 DD1.E16 DD1.E17 DD1.E18 DD1.E19 DD1.E20 DD1.F1 DD1.F2 DD1.F3 DD1.F4 DD1.F5 DD1.F6 DD1.F7 DD1.F8 DD1.F9 DD1.F10 DD1.F11 DD1.F12 DD1.F13 DD1.F14 DD1.F15 DD1.F16 DD1.F17 DD1.F18 DD1.F19 DD1.F20 DD1.G1 DD1.G2 DD1.G3 DD1.G4 DD1.G5 DD1.G6 DD1.G7 DD1.G8 DD1.G9 DD1.G10 DD1.G11 DD1.G12 DD1.G13 DD1.G14 DD1.G15 DD1.G16 DD1.G17 DD1.G18 DD1.G19 DD1.G20 DD1.H1 DD1.H2 DD1.H3 DD1.H4 DD1.H5 DD1.H6 DD1.H7 DD1.H8 DD1.H9 DD1.H10 DD1.H11 DD1.H12 DD1.H13 DD1.H14 DD1.H15 DD1.H16 DD1.H17 DD1.H18 DD1.H19 DD1.H20 DD1.J1 DD1.J2 DD1.J3 DD1.J4 DD1.J5 DD1.J6 DD1.J7 DD1.J8 DD1.J9 DD1.J10 DD1.J11 DD1.J12 DD1.J13 DD1.J14 DD1.J15 DD1.J16 DD1.J17 DD1.J18 DD1.J19 DD1.J20 DD1.K1 DD1.K2 DD1.K3 DD1.K4 DD1.K5 DD1.K6 DD1.K7 DD1.K8 DD1.K9 DD1.K10 DD1.K11 DD1.K12 DD1.K13 DD1.K14 DD1.K15 DD1.K16 DD1.K17 DD1.K18 DD1.K19 DD1.K20 DD1.L1 DD1.L2 DD1.L3 DD1.L4 DD1.L5 DD1.L6 DD1.L7 DD1.L8 DD1.L9 DD1.L10 DD1.L11 DD1.L12 DD1.L13 DD1.L14 DD1.L15 DD1.L16 DD1.L17 DD1.L18 DD1.L19 DD1.L20 DD1.M1 DD1.M2 DD1.M3 DD1.M4 DD1.M5 DD1.M6 DD1.M7 DD1.M8 DD1.M9 DD1.M10 DD1.M11 DD1.M12 DD1.M13 DD1.M14 DD1.M15 DD1.M16 DD1.M17 DD1.M18 DD1.M19 DD1.M20 DD1.N1 DD1.N2 DD1.N3 DD1.N4 DD1.N5 DD1.N6 DD1.N7 DD1.N8 DD1.N9 DD1.N10 DD1.N11 DD1.N12 DD1.N13 DD1.N14 DD1.N15 DD1.N16 DD1.N17 DD1.N18 DD1.N19 DD1.N20 DD1.P1 DD1.P2 DD1.P3 DD1.P4 DD1.P5 DD1.P6 DD1.P7 DD1.P8 DD1.P9 DD1.P10 DD1.P11 DD1.P12 DD1.P13 DD1.P14 DD1.P15 DD1.P16 DD1.P17 DD1.P18 DD1.P19 DD1.P20 DD1.Q1 DD1.Q2 DD1.Q3 DD1.Q4 DD1.Q5 DD1.Q6 DD1.Q7 DD1.Q8 DD1.Q9 DD1.Q10 DD1.Q11 DD1.Q12 DD1.Q13 DD1.Q14 DD1.Q15 DD1.Q16 DD1.Q17 DD1.Q18 DD1.Q19 DD1.Q20 DD1.R1 DD1.R2 DD1.R3 DD1.R4 DD1.R5 DD1.R6 DD1.R7 DD1.R8 DD1.R9 DD1.R10 DD1.R11 DD1.R12 DD1.R13 DD1.R14 DD1.R15 DD1.R16 DD1.R17 DD1.R18 DD1.R19 DD1.R20 DD1.S1 DD1.S2 DD1.S3 DD1.S4 DD1.S5 DD1.S6 DD1.S7 DD1.S8 DD1.S9 DD1.S10 DD1.S11 DD1.S12 DD1.S13 DD1.S14 DD1.S15 DD1.S16 DD1.S17 DD1.S18 DD1.S19 DD1.S20 DD1.T1 DD1.T2 DD1.T3 DD1.T4 DD1.T5 DD1.T6 DD1.T7 DD1.T8 DD1.T9 DD1.T10 DD1.T11 DD1.T12 DD1.T13 DD1.T14 DD1.T15 DD1.T16 DD1.T17 DD1.T18 DD1.T19 DD1.T20 DD1.U1 DD1.U2 DD1.U3 DD1.U4 DD1.U5 DD1.U6 DD1.U7 DD1.U8 DD1.U9 DD1.U10 DD1.U11 DD1.U12 DD1.U13 DD1.U14 DD1.U15 DD1.U16 DD1.U17 DD1.U18 DD1.U19 DD1.U20 DD1.V1 DD1.V2 DD1.V3 DD1.V4 DD1.V5 DD1.V6 DD1.V7 DD1.V8 DD1.V9 DD1.V10 DD1.V11 DD1.V12 DD1.V13 DD1.V14 DD1.V15 DD1.V16 DD1.V17 DD1.V18 DD1.V19 DD1.V20 R6.1 R8.1 R10.1 T1_mpi_bc.3 T1_mpi_bc.6 T1_mpi_bc.7 T1_mpi_rt.3 T1_mpi_rt.6 T1_mpi_rt.7 T2_mpi_bc.3 T2_mpi_bc.6 T2_mpi_bc.7 T2_mpi_rt.3 T2_mpi_rt.6 T2_mpi_rt.7 U3_cm_dc-dc.6 U3_spw_dc-dc.6 U4.4 U4.5 U4.6 U4.9

## Polygon pours and split planes (outlines as drawn)
no net on Top Layer "Top Layer-CASE" (solid, pour order 26): 121.015,0.025 ccw(c121.015,3.012) 124.003,3.012 124.003,75.514 121.463,75.514 120.014,74.065 120.014,68.988 122.022,66.98 122.022,42.062 120.014,40.054 120.014,34.977 121.996,32.995 121.971,32.969 121.971,8.382 115.138,2.515 85.09,2.515 83.464,4.14 78.562,4.14 76.937,2.515 47.092,2.515 45.466,4.14 40.564,4.14 38.938,2.515 8.865,2.515 2.032,8.382 2.032,32.995 4.015,34.977 4.012,40.057 2.032,42.037 2.007,66.929 4.015,68.937 4.012,74.068 2.565,75.514 0,75.514 0,3.024 ccw(c2.999,3.024) 2.999,0.025
no net on Top Solder "Top Layer-CASE" (solid): 121.015,0.025 ccw(c121.015,3.012) 124.003,3.012 124.003,75.514 121.463,75.514 120.014,74.065 120.014,68.988 122.022,66.98 122.022,42.062 120.014,40.054 120.014,34.977 121.996,32.995 121.971,32.969 121.971,8.382 115.138,2.515 85.09,2.515 83.464,4.14 78.562,4.14 76.937,2.515 47.092,2.515 45.466,4.14 40.564,4.14 38.938,2.515 8.865,2.515 2.032,8.382 2.032,32.995 4.015,34.977 4.012,40.057 2.032,42.037 2.007,66.929 4.015,68.937 4.012,74.068 2.565,75.514 0,75.514 0,3.024 ccw(c2.999,3.024) 2.999,0.025
no net on Top Solder "Top Layer-CASE" (solid): 121.015,0.025 ccw(c121.015,3.012) 124.003,3.012 124.003,75.514 121.463,75.514 120.014,74.065 120.014,68.988 122.022,66.98 122.022,42.062 120.014,40.054 120.014,34.977 121.996,32.995 121.971,32.969 121.971,8.382 115.138,2.515 85.09,2.515 83.464,4.14 78.562,4.14 76.937,2.515 47.092,2.515 45.466,4.14 40.564,4.14 38.938,2.515 8.865,2.515 2.032,8.382 2.032,32.995 4.015,34.977 4.012,40.057 2.032,42.037 2.007,66.929 4.015,68.937 4.012,74.068 2.565,75.514 0,75.514 0,3.024 ccw(c2.999,3.024) 2.999,0.025
no net on Bottom Layer "Bottom Layer-No Net" (solid, pour order 22): 121.015,0.025 ccw(c121.015,3.012) 124.003,3.012 124.003,75.514 121.463,75.514 120.014,74.065 120.014,68.988 122.022,66.98 122.022,42.062 120.014,40.054 120.014,34.977 121.996,32.995 121.971,32.969 121.971,8.382 115.138,2.515 85.09,2.515 83.464,4.14 78.562,4.14 76.937,2.515 47.092,2.515 45.466,4.14 40.564,4.14 38.938,2.515 8.865,2.515 2.032,8.382 2.032,32.995 4.015,34.977 4.012,40.057 2.032,42.037 2.007,66.929 4.015,68.937 4.012,74.068 2.565,75.514 0,75.514 0,3.024 ccw(c2.999,3.024) 2.999,0.025
no net on Bottom Solder "Top Layer-CASE" (solid): 121.015,0.025 ccw(c121.015,3.012) 124.003,3.012 124.003,75.514 121.463,75.514 120.014,74.065 120.014,68.988 122.022,66.98 122.022,42.062 120.014,40.054 120.014,34.977 121.996,32.995 121.971,32.969 121.971,8.382 115.138,2.515 85.09,2.515 83.464,4.14 78.562,4.14 76.937,2.515 47.092,2.515 45.466,4.14 40.564,4.14 38.938,2.515 8.865,2.515 2.032,8.382 2.032,32.995 4.015,34.977 4.012,40.057 2.032,42.037 2.007,66.929 4.015,68.937 4.012,74.068 2.565,75.514 0,75.514 0,3.024 ccw(c2.999,3.024) 2.999,0.025
no net on Internal Plane 1 (split plane): 123.49,66.204 123.432,66.18 123.303,66.109 123.183,66.024 123.074,65.926 122.976,65.817 122.891,65.697 122.82,65.568 122.763,65.433 122.723,65.292 122.698,65.147 122.69,65 122.698,64.853 122.723,64.708 122.763,64.567 122.82,64.432 122.891,64.303 122.976,64.183 123.074,64.074 123.183,63.976 123.303,63.891 123.432,63.82 123.49,63.796 123.49,3.017 123.49,3 123.491,2.984 123.482,2.783 123.454,2.567 123.407,2.355 123.342,2.148 123.258,1.947 123.158,1.754 123.041,1.571 122.909,1.398 122.762,1.238 122.602,1.091 122.429,0.959 122.246,0.842 122.053,0.742 121.852,0.658 121.645,0.593 121.433,0.546 121.217,0.518 121.016,0.509 121,0.51 3,0.51 2.984,0.509 2.783,0.518 2.567,0.546 2.355,0.593 2.148,0.658 1.947,0.742 1.754,0.842 1.571,0.959 1.398,1.091 1.238,1.238 1.091,1.398 0.959,1.571 0.842,1.754 0.742,1.947 0.658,2.148 0.593,2.355 0.546,2.567 0.518,2.783 0.509,2.984 0.51,3 0.51,74.99 123.49,74.99

## Other copper
Top Layer:
  pour cut-out: 123.2,65 ccw(c124,65) 124,64.2 124,65.8 ccw(c124,65)

## Silkscreen, mask and mechanical layers (free items; w line width, h text height)
Top Overlay:
  drawing of 2082 lines, arcs and shapes, not listed
  text "'.GlobalProjectName' #'.GlobalProjectRevision' '.Print_Date'" at 0.787,103.488 h2
Bottom Overlay:
  drawing of 2080 lines, arcs and shapes, not listed
  text "'.GlobalProjectName' #'.GlobalProjectRevision' / '.ModifiedDate'" at 56.275,103.234 h2
Mechanical 1:
  lines w0.254: 124,3 cw(c121,3) 121,0 3,0 cw(c3,3) 0,3 0,75.5 124,75.5 ; 124,3.017 124,64.2 cw(c124,65) 124,65.8 124,75.517
Mechanical 2:
  circle w0.013: c4.007,37.517 r1.45
  circle w0.013: c120.007,37.517 r1.45
  circle w0.013: c43.007,3.517 r1.45
  circle w0.013: c81.007,3.517 r1.45
  circle w0.013: c120.007,3.517 r1.45
  circle w0.013: c4.007,3.517 r1.45
  circle w0.013: c4.007,71.517 r1.45
  circle w0.013: c120.007,71.517 r1.45
  lines w0.013: 2.358,75.517 ccw(c5.007,76.925) 4.462,73.975 cw(c4.007,71.517) 4.462,69.058 ccw(c5.007,66.108) 2.007,66.108 2.007,42.925 ccw(c5.007,42.925) 4.462,39.975 cw(c4.007,37.517) 4.462,35.058 ccw(c5.007,32.108) 2.007,32.108 2.007,9.433 ccw(c5.007,9.433) 4.507,6.475 cw(c4.007,3.517) 6.836,4.517 ccw(c9.664,5.517) 9.664,2.517 37.884,2.517 ccw(c37.884,5.517) 40.678,4.426 cw(c43.007,3.517) 43.007,6.017 cw(c43.007,3.517) 45.336,4.426 ccw(c48.131,5.517) 48.131,2.517 75.884,2.517 ccw(c75.884,5.517) 78.678,4.426 cw(c81.007,3.517) 81.007,6.017 cw(c81.007,3.517) 83.336,4.426 ccw(c86.131,5.517) 86.131,2.517 114.35,2.517 ccw(c114.35,5.517) 117.179,4.517 cw(c120.007,3.517) 119.507,6.475 ccw(c119.007,9.433) 122.007,9.433 122.007,32.108 ccw(c119.007,32.108) 119.553,35.058 cw(c120.007,37.517) 119.553,39.975 ccw(c119.007,42.925) 122.007,42.925 122.007,66.108 ccw(c119.007,66.108) 119.553,69.058 cw(c120.007,71.517) 119.553,73.975 ccw(c119.007,76.925) 121.656,75.517
  lines w0.1: 62,-2 62,80
  lines w0.2: 7.192,70.5 8.008,70.5 8.792,70.5 ; 7.992,69.7 7.992,70.485 7.992,71.3 ; 27.1,70.5 27.914,70.5 28.9,70.5 ; 28,69.7 28,70.485 28,71.3 ; 47.1,70.5 47.914,70.5 48.9,70.5 ; 48,69.7 48,70.485 48,71.3 ; 65.1,70.5 65.914,70.5 66.9,70.5 ; 66,69.7 66,70.485 66,71.3 ; 77.1,70.5 77.914,70.5 78.9,70.5 ; 78,69.7 78,70.485 78,71.3 ; 97.1,70.5 97.914,70.5 98.9,70.5 ; 98,69.7 98,70.485 98,71.3

## Dimensions
0,75.5 to 98,70.485 on Mechanical 2
0,75.5 to 78,70.485 on Mechanical 2
0,75.5 to 8,70.5 on Mechanical 2
0,75.754 to 66,70.485 on Mechanical 2
0,75.5 to 48,70.485 on Mechanical 2
0,75.5 to 28,70.485 on Mechanical 2
0,0 to 124,3 on Mechanical 2
0,0 to 0,75.5 on Mechanical 2